# KiCad board 8851_HW-U1-VCU118_REV2-0_071417.kicad_pcb (continued)
## Routing (per net, layer and track width the routed paths; a pad name or vN(x,y) marks a point on that pad's centre or on a via; arc(x,y) is an arc through that point) (continued)
RLD3_C3_72B_DK2_N: length 114.1
  TOP w0.142: v2(101.61,71.7) 102.1,71.2 ; v2(79.06,115.32) 78.57,114.83
  14_SIG4 w0.105: v2(101.61,71.7) 101.61,71.41 101.51,71.3 101.36,71.3 101.22,71.44 101.22,71.95 100.88,72.29 93.57,72.29 93.11,72.75 93.11,72.82
  14_SIG4 w0.106: 82.28,114.81 82.25,114.81 82.22,114.78 78.96,114.78 78.78,114.96 78.78,115.04 v2(79.06,115.32)
  14_SIG4 w0.138: 93.11,72.82 92.47,73.46 91.86,73.46 91.4,72.99 91.4,72.47 92.15,71.72 92.15,71.35 91.93,71.13 90.33,71.13 90.17,71.29 90.17,71.47 90.29,71.59 90.52,71.59 90.81,71.88 90.81,72.36 90.49,72.68 89.93,72.68 89.78,72.83 89.78,73.22 89.93,73.38 90.71,73.38 91.15,73.82 91.15,74.27 90.78,74.65 89.93,74.65 89.78,74.8 89.78,75.11 89.93,75.27 90.68,75.27 90.99,75.59 90.99,76.17 90.63,76.54 89.93,76.54 89.78,76.69 89.78,77 89.93,77.16 90.68,77.16 90.99,77.48 90.99,78.06 90.63,78.43 89.93,78.43 89.78,78.58 89.78,78.89 89.93,79.05 90.68,79.05 90.99,79.37 90.99,79.95 90.63,80.32 89.93,80.32 89.78,80.47 89.78,80.78 89.93,80.94 90.68,80.94 90.99,81.26 90.99,81.84 90.63,82.21 89.93,82.21 89.78,82.36 89.78,82.67 89.93,82.83 91.74,82.83 92.09,83.17 92.09,83.76 91.75,84.1 89.93,84.1 89.78,84.25 89.78,84.56 89.93,84.72 92.9,84.72 93.25,85.07 93.25,85.69 92.95,85.99 89.93,85.99 89.78,86.14 89.78,86.75 89.95,86.92 93.36,86.92 93.71,87.27 93.71,87.89 93.41,88.19 89.9,88.19 89.78,88.32 89.78,89.03 90.09,89.34 90.31,89.34 90.73,88.93 91.26,88.93 91.68,89.34 91.68,89.78 91.21,90.24 91.21,90.46 91.43,90.68 91.57,90.68 93.14,89.12 93.65,89.12 94.04,89.5 94.04,90.09 92.54,91.58 92.54,91.8 92.77,92.02 92.98,92.02 93.45,91.55 93.89,91.55 94.3,91.96 94.3,92.5 93.88,92.92 93.88,93.13 94.1,93.35 94.1,94.47 92.62,95.95 92.27,95.95 91.01,97.21 91.01,98.14 91.17,98.29 91.31,98.29 91.65,98.63 91.65,99.21 91.31,99.56 91.17,99.56 91.01,99.71 91.01,103.29 90.74,103.57 90.06,103.57 89.78,103.29 89.78,102.56 89.69,102.47 89.44,102.47 88.38,103.53 88.38,103.75 88.53,103.9 88.53,104.39 88.12,104.8 87.63,104.8 87.48,104.65 87.26,104.65 87,104.91 87,106.11 86.41,106.7 85.44,106.7 84.72,107.41 84.72,113.8 83.98,114.55 83.63,114.55 83.37,114.81 82.28,114.81
RLD3_C3_72B_DK2_P: length 114.5
  TOP w0.142: v2(78.07,115.32) 77.58,114.83 ; 102.1,70.22 v2(101.61,70.71)
  14_SIG4 w0.105: 92.9,72.6 92.92,72.59 92.99,72.59 93.49,72.09 100.79,72.09 101.02,71.86 101.02,71.36 101.27,71.1 101.51,71.1 101.61,71 v2(101.61,70.71)
  14_SIG4 w0.106: 82.28,114.51 82.25,114.51 82.22,114.53 78.86,114.53 v2(78.07,115.32)
  14_SIG4 w0.138: 82.28,114.51 83.24,114.51 83.5,114.25 83.85,114.25 84.42,113.67 84.42,107.29 85.31,106.4 86.29,106.4 86.7,105.99 86.7,104.79 87.14,104.35 87.6,104.35 87.76,104.5 88,104.5 88.23,104.26 88.23,104.03 88.08,103.87 88.08,103.41 89.31,102.17 89.81,102.17 90.08,102.44 90.08,103.17 90.18,103.27 90.61,103.27 90.71,103.17 90.71,99.59 91.04,99.26 91.18,99.26 91.35,99.09 91.35,98.76 91.18,98.59 91.04,98.59 90.71,98.26 90.71,97.09 92.15,95.65 92.5,95.65 93.8,94.35 93.8,93.47 93.58,93.26 93.58,92.79 94,92.37 94,92.09 93.76,91.85 93.57,91.85 93.11,92.32 92.64,92.32 92.24,91.92 92.24,91.46 93.74,89.96 93.74,89.63 93.53,89.42 93.26,89.42 91.7,90.98 91.31,90.98 90.91,90.58 90.91,90.12 91.38,89.65 91.38,89.46 91.14,89.23 90.85,89.23 90.43,89.64 89.97,89.64 89.47,89.15 89.47,88.2 89.78,87.89 93.28,87.89 93.41,87.77 93.41,87.4 93.23,87.22 89.83,87.22 89.47,86.87 89.47,86.02 89.8,85.69 92.83,85.69 92.95,85.56 92.95,85.19 92.78,85.02 89.8,85.02 89.47,84.69 89.47,84.13 89.8,83.8 91.62,83.8 91.79,83.63 91.79,83.3 91.62,83.13 89.8,83.13 89.47,82.8 89.47,82.24 89.8,81.91 90.5,81.91 90.69,81.71 90.69,81.38 90.55,81.24 89.8,81.24 89.47,80.91 89.47,80.35 89.8,80.02 90.5,80.02 90.69,79.82 90.69,79.49 90.55,79.35 89.8,79.35 89.47,79.02 89.47,78.46 89.8,78.13 90.5,78.13 90.69,77.93 90.69,77.6 90.55,77.46 89.8,77.46 89.47,77.13 89.47,76.57 89.8,76.24 90.5,76.24 90.69,76.04 90.69,75.71 90.55,75.57 89.8,75.57 89.47,75.24 89.47,74.68 89.8,74.35 90.65,74.35 90.85,74.15 90.85,73.95 90.58,73.68 89.8,73.68 89.47,73.35 89.47,72.71 89.8,72.38 90.37,72.38 90.51,72.24 90.51,72 90.4,71.89 90.17,71.89 89.87,71.59 89.87,71.16 90.2,70.83 92.06,70.83 92.45,71.23 92.45,71.84 91.7,72.6 91.7,72.87 91.99,73.16 92.34,73.16 92.58,72.93 92.9,72.6
RLD3_C3_72B_DK3_N: length 109.3
  TOP w0.142: 70.69,114.83 v2(70.2,115.32) ; v2(99.64,74.65) 100.13,74.16
  18_SIG6 w0.105: 92.9,63.15 92.93,63.15 92.96,63.12 93.11,63.12 93.41,63.43 100.83,63.43 101.02,63.62 101.02,64.15 101.77,64.89 102.45,64.89 102.99,65.43 102.99,72.86 102.78,73.07 100.37,73.07 100.03,73.41 100.03,74.26 v2(99.64,74.65) ; v2(70.2,115.32) 70.24,115.28 70.62,115.28 70.74,115.41 70.74,115.68 70.99,115.92 71.45,115.92 71.78,115.59 71.78,114.85 71.8,114.83 71.8,114.8
  18_SIG6 w0.106: 68.04,113.86 68.06,113.88 68.06,113.92 68.59,114.45 69.22,114.45 69.73,113.94 71.23,113.94 71.8,114.51 71.8,114.8
  18_SIG6 w0.138: 68.04,113.86 67.8,113.62 67.8,113.41 64.19,109.8 64.19,100.14 64.65,99.67 64.65,95.31 66.77,93.19 80.06,93.19 80.62,92.62 80.62,73.98 79.32,72.68 79.32,71.02 83.78,66.56 84.9,66.56 85.38,67.04 88.01,67.04 91.9,63.15 92.64,63.15 92.9,63.15
RLD3_C3_72B_DK3_P: length 109.2
  TOP w0.142: 71.68,114.83 v2(71.18,115.32) ; v2(100.63,74.65) 101.12,74.16
  18_SIG6 w0.105: v2(100.63,74.65) 100.23,74.26 100.23,73.49 100.45,73.27 102.86,73.27 103.19,72.94 103.19,65.35 102.54,64.69 101.85,64.69 101.22,64.06 101.22,63.53 100.91,63.23 93.5,63.23 93.19,62.92 92.98,62.92 92.91,62.85 92.9,62.85 ; v2(71.18,115.32) 71.05,115.32 70.94,115.43 70.94,115.6 71.07,115.72 71.37,115.72 71.58,115.51 71.58,114.85 71.56,114.83 71.56,114.8
  18_SIG6 w0.106: 71.56,114.8 71.56,114.61 71.13,114.18 69.83,114.18 69.32,114.7 68.49,114.7 67.88,114.09 67.84,114.09 67.83,114.07
  18_SIG6 w0.138: 92.9,62.85 92.64,62.85 92.64,62.85 91.78,62.85 87.89,66.74 85.51,66.74 85.03,66.26 83.66,66.26 79.02,70.89 79.02,72.8 80.33,74.1 80.33,92.5 79.93,92.89 66.64,92.89 64.35,95.18 64.35,99.55 63.89,100.01 63.89,109.92 67.5,113.53 67.5,113.74 67.83,114.07
RLD3_C3_72B_DM0: length 141.4
  TOP w0.15: U141.B7 v2(91.76,120.4) ; 99.15,80.06 v2(98.66,80.55)
  20_SIG7 w0.087: 97.18,87.65 97.18,87.09 97.32,86.95 99.04,86.95 99.15,86.85 99.15,86.04 99.07,85.97 97.34,85.97 97.18,85.81 97.18,85.08 97.28,84.98 98.02,84.98 99.05,84.98 99.15,84.88 99.15,84.15 99,84 97.43,84 97.18,83.75 97.18,83.71 97.18,82.73 97.18,82.23 97.39,82.03 97.89,82.03 98.17,81.76 98.17,81.25 97.96,81.05 97.27,81.05 97.18,80.96 97.18,80.76 97.18,80.35 97.18,80.29 97.41,80.06 97.93,80.06 98.42,80.55 v2(98.66,80.55) ; v2(91.76,120.4) 92.26,120.89 92.26,121.61 92.4,121.75 92.67,121.75 92.8,121.62 92.8,120.25 92.26,119.71 92.26,118.26 91.94,117.94 90.57,117.94 90.24,118.27 90.24,118.64 89.99,118.88 89.61,118.88 89.3,119.19 89.3,119.21 89.3,119.62 89.01,119.9 88.6,119.9 88.31,119.62 88.31,116.25 88.6,115.97 88.61,115.97 89.12,115.97 89.3,116.15 89.3,116.66 89.59,116.95 89.99,116.95 90.28,116.66 90.28,116.17 90.49,115.97 91.12,115.97 91.27,116.12 91.27,116.66 91.56,116.95 91.96,116.95 92.25,116.66 92.25,115.66 93.91,114 93.93,114 94.22,113.71 94.22,109.37 94.51,109.08 94.92,109.08 95.2,109.37 95.2,112.34 95.2,112.73 95.49,113.01 95.9,113.01 96.19,112.73 96.19,112.68 96.19,111.33 96.19,110.76 96.19,109.77 96.19,109.33 96.44,109.08 96.78,109.08 96.88,109.08 97.17,109.37 97.17,110.8 97.42,111.05 97.95,111.05 98.16,110.84 98.16,108.38 98.45,108.09 98.92,108.09 99.14,108.32 99.14,110.77 99.43,111.05 100.5,111.05
  20_SIG7 w0.138: 97.18,87.65 97.18,88.39 97.39,88.6 97.63,88.6 97.96,88.27 98.2,88.27 98.44,88.51 98.44,88.75 98.11,89.08 98.11,89.32 99.6,90.81 99.6,92.58 99.24,92.94 99.24,96.71 98.9,97.05 97.57,97.05 97.33,97.29 97.33,98 97.66,98.33 99.9,98.33 100.21,98.03 100.21,97.16 100.52,96.85 100.98,96.85 101.61,97.48 101.61,98.06 101.88,98.33 106.96,98.33 107.28,98.65 107.28,98.85 107.05,99.08 106.51,99.08 106.38,99.21 106.38,99.66 106.24,99.8 105.96,99.8 105.83,99.66 105.83,99.21 105.69,99.08 105.41,99.08 105.28,99.21 105.28,99.61 105.14,99.74 104.86,99.74 104.73,99.61 104.73,99.21 104.59,99.08 98.28,99.08 98.12,99.22 98.12,99.45 98.3,99.62 102.88,99.62 103.15,99.9 103.15,100.55 103.33,100.73 104.75,100.73 105.06,101.04 105.06,101.5 104.71,101.85 103.68,101.85 103.5,102.03 103.5,103.45 105.63,105.58 105.63,106.28 105.49,106.42 104.51,106.42 104.38,106.56 104.38,106.83 104.51,106.97 105.49,106.97 105.63,107.11 105.63,107.38 105.49,107.52 104.51,107.52 104.38,107.66 104.38,107.93 104.51,108.07 105.49,108.07 105.63,108.21 105.63,108.62 105.63,108.62 105.63,108.82 105.4,109.05 105.08,109.05 104.49,108.47 104.17,108.47 103.95,108.69 103.95,109.01 104.75,109.81 104.75,110.03 104.48,110.29 104.29,110.29 103.04,109.05 102.85,109.05 102.65,109.25 102.65,109.44 103.71,110.5 103.71,110.69 103.35,111.05 100.5,111.05
RLD3_C3_72B_DM1: length 141.1
  TOP w0.15: U141.M7 v2(91.76,109.57) ; 94.23,76.12 v2(93.74,76.62)
  18_SIG6 w0.087: v2(91.76,109.57) 91.76,109.15 91.67,109.06 91.4,109.06 91.27,109.19 91.27,110.76 91.56,111.05 91.96,111.05 92.25,111.34 92.25,111.75 91.96,112.04 91.43,112.04 91.28,112.2 91.28,112.88 91.41,113.01 92.64,113.01 92.81,113.18 92.81,113.85 92.47,114.19 91.04,114.19 90.89,114.34 90.89,114.75 91.09,114.95 92.65,114.95 92.83,115.13 92.83,115.87 92.74,115.96 91.46,115.96 91.27,116.15 91.27,116.82 91.4,116.95 92.66,116.95 92.78,117.08 92.78,117.82 92.66,117.94 91.49,117.94 91.26,118.16 91.26,118.62 90.96,118.92 88.6,118.92 88.32,119.2 88.32,120.6 88.02,120.89 87.57,120.89 87.34,120.66 87.34,120.19 87.05,119.9 86.66,119.9 86.36,120.2 86.36,121.18 86.16,121.39 85.53,121.39 85.45,121.31 ; 96.62,89.52 96.62,88.81 97.1,88.33 97.61,88.33 98.17,87.77 98.17,83.3 97.88,83.01 97.47,83.01 97.18,83.3 97.18,87.65 96.89,87.94 96.49,87.94 96.2,87.65 96.2,81.33 95.91,81.05 95.5,81.05 95.21,81.33 95.21,86.66 94.93,86.95 94.52,86.95 94.23,86.66 93.54,86.66 93.16,86.29 93.16,85.35 93.53,84.98 93.94,84.98 94.23,84.69 94.23,84.29 93.94,84 93.16,84 93.03,83.87 93.03,83.16 93.19,83.01 93.94,83.01 94.23,82.73 94.23,82.32 93.94,82.03 93.27,82.03 93.09,81.84 93.09,81.36 93.4,81.05 93.94,81.05 94.23,80.76 94.23,79.37 93.94,79.08 93.53,79.08 93.14,78.68 93.14,75.49 93.48,75.14 94.93,75.14 95.21,75.43 95.21,75.84 94.93,76.12 94.23,76.12 v2(93.74,76.62) ; 85.45,120.08 85.63,119.9 86.05,119.9 86.35,119.61 86.35,119.21 86.65,118.9 87.04,118.9 87.04,118.9 87.05,118.9 87.32,118.63 87.32,118.23 87.62,117.93 90.09,117.93 90.28,117.75 90.28,117.22 90,116.95 88.6,116.95 88.31,116.67 88.31,116.24 88.58,115.97 90,115.97 90.29,115.68 90.29,115.27 90.01,114.99 88.2,114.99 88.11,114.9 88.11,114.56 88.45,114.22 90.08,114.22 90.28,114.02 90.28,113.28 90.01,113.01 89.58,113.01 89.3,112.74 89.3,112.3 89.57,112.03 90.12,112.03 90.28,111.86 90.28,111.23 90.09,111.04 89.57,111.04 89.3,110.77 89.3,110.37 89.57,110.1 90.04,110.1 90.28,109.86 90.28,109.26 90.11,109.08 89.57,109.08 89.3,108.81 89.3,108.39 89.59,108.09 91.26,108.09 91.5,107.85 91.5,107.25 91.35,107.1 90.06,107.1 89.95,106.99 89.95,106.75
  18_SIG6 w0.138: 89.95,106.75 89.95,106.55 90.14,106.36 91.64,106.36 92.06,105.95 92.06,105.49 91.86,105.29 91.86,104.67 92.08,104.45 93.5,104.45 94.73,103.22 94.73,102.94 94.98,102.68 96.63,102.68 96.9,102.41 96.9,102.03 96.52,101.65 94.98,101.65 94.73,101.39 94.73,99.68 95.38,99.02 95.38,97.34 96.62,96.1 96.62,92.24 96.88,91.99 97.69,91.99 97.95,91.73 97.95,91.21 97.69,90.96 96.88,90.96 96.62,90.7 96.62,89.52 ; 85.45,121.31 85.32,121.17 85.32,120.21 85.45,120.08
RLD3_C3_72B_DM2: length 118.4
  TOP w0.15: 106.04,65.3 v2(105.55,65.79) ; 79.55,114.83 v2(80.04,115.32)
  14_SIG4 w0.087: 85.08,107.63 85.08,107.63 ; v2(105.55,65.79) 105.84,65.79 106.33,66.28 106.74,66.28 107.02,66.57 107.02,67.97 107.29,68.23 107.74,68.23 108,68.49 108,68.95 108.27,69.22 109.83,69.22 109.98,69.08 109.98,68.46 110.19,68.25 110.77,68.25 110.95,68.07 110.95,59.63 111.2,59.38 114.79,59.38 114.9,59.5 114.9,64.74 114.82,64.82 114.62,64.82 114.5,64.94 114.5,65.18 114.62,65.31 114.82,65.31 114.9,65.38 114.9,71.04 114.74,71.2 111.18,71.2 110.94,71.44 110.94,71.89 110.65,72.18 109.15,72.18 108.97,72.36 108.97,72.88 108.7,73.15 108.19,73.15 107.99,73.34 107.99,73.77 107.59,74.17 107.25,74.17 107.03,74.4 107.03,75.8 106.79,76.05 106.29,76.05 106.03,76.31 106.03,76.92 105.88,77.06 105.21,77.06 105.03,76.89 105.03,76.35 104.78,76.1 104.32,76.1 104.11,75.89 104.11,74.4 103.89,74.17 92.9,74.17 ; 92.9,83.22 93.18,83.51 93.18,83.69 93.48,83.99 94.02,83.99 94.26,84.22 94.26,88.94 94.85,89.52 ; 82.28,115.78 82.24,115.81 80.16,115.81 80.04,115.69 v2(80.04,115.32)
  14_SIG4 w0.138: 85.08,107.63 85.58,107.12 85.58,107.12 85.63,107.08 87.17,107.08 88.17,106.08 88.17,105.53 89.52,104.19 91.18,104.19 91.59,103.77 91.59,100.99 92.2,100.38 92.2,97.17 92.77,96.6 92.89,96.6 94.85,94.65 94.85,89.52 ; 85.08,107.63 85.08,114.08 84.19,114.97 83.84,114.97 83.33,115.47 82.58,115.47 82.28,115.78 ; 92.9,83.22 91.63,81.95 91.63,74.59 92.04,74.17 92.9,74.17
RLD3_C3_72B_DM3: length 109.7
  TOP w0.15: 69.71,114.83 v2(69.21,115.32) ; v2(94.72,66.77) 95.21,66.28
  20_SIG7 w0.087: v2(69.21,115.32) 68.72,114.83 67.95,114.83 67.83,114.7 ; v2(94.72,66.77) 94.23,66.28 92.9,66.28
  20_SIG7 w0.138: 67.83,114.7 67.78,114.65 67.78,113.8 67.65,113.67 67.65,112.83 67.46,112.65 67.1,112.65 66.95,112.8 66.95,113.65 66.73,113.87 66.48,113.87 66.25,113.64 66.25,112.82 66.16,112.73 64.62,112.73 63.95,112.06 63.95,109.97 64.08,109.83 64.86,109.83 65,109.7 65,109.42 64.86,109.28 64.08,109.28 63.95,109.15 63.95,108.87 64.08,108.73 64.86,108.73 65,108.6 65,108.32 64.86,108.18 64.08,108.18 63.95,108.05 63.95,107.77 64.08,107.63 64.86,107.63 65,107.5 65,107.22 64.86,107.08 64.08,107.08 63.95,106.95 63.95,106.67 64.08,106.53 64.86,106.53 65,106.4 65,106.12 64.86,105.98 64.08,105.98 63.95,105.85 63.95,105.57 64.08,105.43 64.86,105.43 65,105.3 65,105.02 64.86,104.88 64.08,104.88 63.95,104.75 63.95,104.47 64.08,104.33 64.86,104.33 65,104.2 65,103.92 64.86,103.78 64.08,103.78 63.89,103.59 63.89,100.97 64.12,100.74 64.32,100.74 64.65,101.07 64.85,101.07 65.04,100.88 65.04,100.68 64.71,100.35 64.71,100.15 65.42,99.44 80.53,99.44 81.51,98.46 81.51,90.4 82.03,89.87 82.03,89.21 81.81,88.98 81.41,88.98 80.46,88.03 79.69,88.03 79.55,87.9 79.55,85.64 79.76,85.43 79.99,85.43 80.13,85.56 80.13,87.3 80.26,87.44 80.54,87.44 80.68,87.3 80.68,85.56 80.81,85.43 81.8,85.43 82.2,85.03 82.2,74.09 82.81,73.48 82.81,70.17 83.25,69.74 84.42,69.74 84.65,69.5 84.65,68.52 85.06,68.12 85.43,68.12 85.56,68.25 85.56,69.72 85.7,69.86 85.98,69.86 86.11,69.72 86.11,68.25 86.25,68.12 86.53,68.12 86.66,68.25 86.66,69.72 86.8,69.86 87.08,69.86 87.21,69.72 87.21,68.25 87.35,68.12 88.66,68.12 90.5,66.28 92.9,66.28
RLD3_C3_72B_DQ0: length 141.9
  TOP w0.15: 101.12,80.06 v2(100.63,80.55) ; U141.D11 v2(96.68,118.43)
  20_SIG7 w0.087: 100.5,115.25 100.22,114.97 95.52,114.97 95.51,114.98 95.49,114.98 95.2,115.27 95.2,115.68 94.92,115.97 94.88,115.97 94.51,115.97 94.49,115.98 94.48,115.98 94.22,116.25 94.22,116.66 93.93,116.95 93.43,116.95 93.27,117.11 93.27,117.67 93.53,117.92 94.03,117.92 94.22,118.12 94.22,118.7 94.44,118.92 95.9,118.92 96.19,119.21 96.19,119.62 96.48,119.9 96.88,119.9 97.17,120.19 97.17,120.38 97.17,120.38 97.17,120.6 97.46,120.89 97.87,120.89 98.16,120.6 98.16,120.19 97.87,119.91 97.46,119.91 97.17,119.62 97.17,118.55 97.05,118.43 v2(96.68,118.43) ; 102.92,87.82 103.09,87.65 103.09,86.14 103.26,85.97 103.78,85.97 104.14,86.32 104.14,88.22 104.4,88.48 104.87,88.48 105.06,88.29 105.06,85.27 104.77,84.98 103.36,84.98 103.09,84.71 103.09,83.3 102.8,83.01 102.39,83.01 102.1,82.73 102.1,82.32 101.81,82.03 100.42,82.03 100.13,81.74 100.13,81.33 100.63,80.84 v2(100.63,80.55)
  20_SIG7 w0.138: 102.92,87.82 102.55,88.18 102.55,93.27 103.26,93.98 103.77,93.98 104,93.76 104,89.82 104.23,89.59 104.55,89.59 104.77,89.81 104.77,93.76 105,93.98 105.31,93.98 105.54,93.76 105.54,88.59 105.75,88.38 106.08,88.38 106.31,88.61 106.31,93.76 106.54,93.98 110.46,93.98 112.3,95.82 112.3,96.8 111.53,97.58 111.53,98.12 111.67,98.27 115.01,98.27 115.38,98.64 115.38,100.13 115.19,100.32 115.19,105.96 114.5,106.65 114.5,108.61 113.4,109.71 113.4,110.48 114,111.08 114,112.14 113.84,112.3 112.83,112.3 112.55,112.58 112.55,117.92 112.17,118.3 110.22,118.3 110.05,118.47 110.05,118.88 110.28,119.11 110.62,119.11 110.85,119.34 110.85,119.66 110.62,119.88 110.28,119.88 110.05,120.11 110.05,120.43 110.28,120.65 110.62,120.65 110.85,120.88 110.85,121.2 110.62,121.43 110.28,121.43 110.05,121.65 110.05,121.97 110.28,122.2 110.62,122.2 110.85,122.43 110.85,122.75 110.62,122.97 110.28,122.97 110.05,123.2 110.05,123.64 110.28,123.86 111.75,123.86 111.97,124.09 111.97,125.84 108.94,128.88 105.7,128.88 105.22,128.4 105.22,124.26 104.6,123.65 104.6,118.15 103.05,116.6 103.05,115.94 102.56,115.45 100.7,115.45 100.5,115.25
RLD3_C3_72B_DQ1: length 141.3
  TOP w0.15: 101.12,81.05 v2(100.63,81.54) ; U141.E10 v2(95.7,117.44)
  20_SIG7 w0.087: v2(100.63,81.54) 101.12,81.05 101.12,80.35 101.41,80.06 102.8,80.06 103.09,80.35 103.09,80.76 103.38,81.05 103.87,81.05 104.07,81.25 104.07,81.74 104.36,82.03 104.77,82.03 105.06,82.32 105.06,82.73 105.34,83.01 105.84,83.01 106.04,83.22 106.04,83.3 106.04,83.71 106.33,84 106.74,84 107.02,84.29 107.02,84.69 107.31,84.98 107.72,84.98 108.01,85.27 108.01,85.78 108.19,85.97 108.7,85.97 108.99,86.26 108.99,87.77 109.17,87.95 ; 100.5,117.97 100.46,117.94 96.89,117.94 96.88,117.94 96.19,117.94 v2(95.7,117.44)
  20_SIG7 w0.138: 100.5,117.97 101.36,118.83 101.36,121.52 102.24,122.41 102.24,122.7 102.38,122.84 103,122.84 103.13,122.98 103.13,123.39 103,123.53 102.72,123.53 102.39,123.87 102.39,125 102.58,125.18 103.58,125.18 103.67,125.28 103.67,126.34 103.53,126.48 102.93,126.48 102.79,126.62 102.79,127.03 102.93,127.17 103.53,127.17 103.67,127.31 103.67,127.72 103.23,128.16 101.69,128.16 101.32,128.53 101.32,129.11 101.2,129.23 100.87,129.23 100.19,129.91 100.19,131.34 100.4,131.55 100.87,131.55 101.01,131.41 101.01,130.71 101.15,130.57 101.56,130.57 101.7,130.71 101.7,131.41 101.84,131.55 102.18,131.55 102.32,131.41 102.32,128.85 102.46,128.71 102.87,128.71 103.01,128.85 103.01,129.23 103.14,129.37 103.6,129.37 103.74,129.5 103.74,129.92 103.6,130.05 103.14,130.05 103.01,130.19 103.01,131.41 103.14,131.55 108.45,131.55 115.5,124.5 116,124.5 116.95,123.55 116.95,123.2 116.51,122.76 116.51,121.9 116.22,121.61 116.22,120.97 116.76,120.43 116.76,117.86 116.1,117.21 116.1,116.95 116.33,116.72 117.44,116.72 117.68,116.48 117.68,116.22 117.41,115.95 116.33,115.95 116.1,115.73 116.1,115.41 116.33,115.18 117.61,115.18 117.87,114.92 117.87,114.66 117.61,114.41 116.33,114.41 116.1,114.18 116.1,113.86 116.33,113.63 117.35,113.63 117.58,113.41 117.58,113.09 117.35,112.86 116.33,112.86 116.05,112.58 116.05,112.22 116.29,111.98 116.3,111.98 116.55,111.72 116.55,111.41 116.24,111.1 115.99,111.1 115.7,110.81 115.7,109.86 116.39,109.17 118.04,109.17 118.22,108.99 118.22,108.6 118.02,108.4 116.92,108.4 116.79,108.26 116.79,107.82 116.97,107.64 117.91,107.64 118.11,107.44 118.11,107.1 117.88,106.87 116.98,106.87 116.79,106.67 116.79,106.32 117,106.11 118.44,106.11 118.66,105.89 118.66,105.55 118.45,105.34 117.12,105.34 116.87,105.08 116.87,104.82 117.12,104.56 118.45,104.56 118.63,104.38 118.63,103.94 118.48,103.79 117.58,103.79 117.38,103.59 117.38,103.23 117.58,103.02 118.81,103.02 119.07,102.76 119.07,102.44 118.87,102.25 117.6,102.25 117.34,101.98 117.34,101.21 117.62,100.93 117.94,100.93 118.33,100.53 118.33,99.97 117.89,99.53 117.89,98.56 118.69,97.76 118.69,97.18 118.55,97.04 117.88,97.04 117.74,96.9 117.74,96.49 117.88,96.35 118.55,96.35 118.69,96.22 118.69,95.8 119.31,95.18 119.31,94.88 119.06,94.64 118.73,94.64 117.33,96.04 114.77,96.04 114.3,95.57 114.3,92.78 110.08,88.55 109.78,88.55 109.17,87.95
RLD3_C3_72B_DQ2: length 138.3
  TOP w0.15: 100.13,81.05 v2(99.64,81.54) ; U141.C8 v2(93.73,119.41)
  20_SIG7 w0.087: v2(93.73,119.41) 93.25,119.41 93.08,119.24 93.08,118 92.75,117.67 92.75,117.14 92.94,116.95 92.94,116.36 93.33,115.97 93.93,115.97 94.22,115.68 94.22,115.27 94.99,114.5 97.45,114.5 97.62,114.33 97.62,114.17 97.79,113.99 98.13,113.99 98.3,114.16 98.3,114.33 98.47,114.5 98.88,114.5 99.38,114 100.22,114 100.38,114.15 100.5,114.15 ; v2(99.64,81.54) 99.64,81.8 100.13,82.3 100.13,82.32 100.13,82.73 100.42,83.01 101.81,83.01 102.1,83.3 102.1,87.65
  20_SIG7 w0.138: 102.1,87.65 102.1,87.84 101.87,88.08 101.87,93.61 102.31,94.04 102.31,95.08 102.56,95.34 103.08,95.34 103.8,94.61 110.04,94.61 110.82,95.39 110.82,98.6 111.11,98.9 114.59,98.9 114.74,99.04 114.74,99.42 114.56,99.6 112.57,99.6 112.42,99.74 112.42,100.4 112.75,100.72 114.36,100.72 114.56,100.92 114.56,101.49 114.3,101.74 113.77,101.74 113.53,101.98 113.53,102.41 113.68,102.55 114.38,102.55 114.56,102.72 114.56,103.22 114.38,103.4 114.04,103.4 113.78,103.65 113.78,103.94 114.04,104.2 114.31,104.2 114.54,104.43 114.54,104.79 114.28,105.05 113.92,105.05 113.44,105.53 113.44,106.03 113.79,106.39 113.79,108.38 112.8,109.37 111.77,109.37 111.48,109.67 111.48,110.28 111.66,110.47 111.9,110.47 112.12,110.7 112.12,111.72 111.88,111.97 110.36,111.97 110.14,112.2 110.14,113.41 110.31,113.58 110.7,113.58 110.9,113.38 110.9,112.88 111.08,112.69 111.49,112.69 111.65,112.85 111.65,113.33 112.03,113.7 112.03,114.19 111.89,114.32 109.48,114.32 109.28,114.12 109.28,112.25 109.05,112.02 107.9,112.02 107.72,112.21 107.72,112.77 107.92,112.97 108.36,112.97 108.51,113.12 108.51,114.07 108.25,114.32 107.77,114.32 107.62,114.47 107.62,114.88 107.79,115.05 111.87,115.05 112.03,115.2 112.03,115.67 111.84,115.86 109.01,115.86 108.83,116.04 108.83,116.4 109.04,116.61 111.84,116.61 112.03,116.8 112.03,117.4 111.78,117.65 109.67,117.65 109.38,117.95 109.38,124.48 109.51,124.62 111.02,124.62 111.15,124.75 111.15,125.16 111.01,125.31 109.51,125.31 109.38,125.44 109.38,125.86 109.51,125.99 110.4,125.99 110.54,126.13 110.54,126.54 110.4,126.68 109.51,126.68 109.38,126.82 109.38,127.52 108.65,128.25 106.12,128.25 105.73,127.86 105.73,124.05 105.12,123.44 105.12,117.92 103.75,116.55 103.75,114.83 103.07,114.15 100.5,114.15
RLD3_C3_72B_DQ3: length 137.8
  TOP w0.15: 99.15,81.05 v2(98.66,81.54) ; U141.C10 v2(95.7,119.41)
  20_SIG7 w0.087: 100.5,111.65 100.12,112.03 97.41,112.03 97.17,112.26 97.17,113.7 97.17,113.7 97.17,113.71 96.88,114 94.53,114 93.54,114.98 93.52,114.98 93.24,115.27 93.24,115.29 92.6,115.93 92.6,116.81 92.31,117.09 92.31,117.82 92.68,118.18 92.68,119.59 92.99,119.9 95.53,119.9 95.7,119.73 v2(95.7,119.41) ; v2(98.66,81.54) 98.66,81.84 98.47,82.03 98.45,82.03 98.17,82.32 98.17,82.73 98.45,83.01 98.86,83.01 99.15,83.3 99.15,83.71 99.44,84 99.85,84 100.13,84.29 100.13,87.75 100.03,87.86
  20_SIG7 w0.138: 100.5,111.65 100.58,111.58 101.59,111.58 102.49,112.47 103.18,112.47 105.15,114.44 105.15,115.58 106.91,117.34 106.91,126.93 107.14,127.16 107.85,127.16 108.07,126.94 108.07,117.5 106.3,115.72 106.3,113.35 106.01,113.06 104.9,113.06 103.74,111.9 103.74,111.46 104.29,110.91 105.38,110.91 106.3,110 106.3,109.56 106.52,109.33 107.48,109.33 107.69,109.53 107.69,110.51 107.87,110.69 108.34,110.69 108.56,110.47 108.56,109.58 108.81,109.33 109.18,109.33 109.36,109.51 109.36,110.34 109.55,110.53 110.02,110.53 110.21,110.34 110.21,108.81 109.96,108.56 106.52,108.56 106.3,108.33 106.3,108.01 106.52,107.79 108.35,107.79 108.58,107.56 108.58,107.24 108.35,107.01 106.52,107.01 106.3,106.79 106.3,104.4 105.69,103.79 104.73,103.79 104.19,103.25 104.19,102.9 104.45,102.64 104.88,102.64 105.24,103 106.43,103 106.66,103.23 106.66,104.11 106.92,104.37 107.23,104.37 107.43,104.17 107.43,103.23 107.66,103 108.56,103 108.82,102.74 108.82,102.01 108.56,101.75 106.14,101.75 105.88,101.49 105.88,101.09 106.14,100.83 107.34,100.83 107.7,100.47 107.7,99.71 108,99.41 109.09,99.41 109.31,99.19 109.31,98.88 109.04,98.61 108.18,98.61 107.7,98.13 107.7,97.23 108.11,96.82 109.17,96.82 109.41,96.58 109.41,96.09 109.2,95.88 106.58,95.88 106.32,96.14 106.32,96.75 106,97.08 105.09,97.08 104.87,96.85 104.87,96.31 104.61,96.05 104.18,96.05 103.9,96.33 103.9,96.85 103.67,97.08 102.1,97.08 101.18,96.16 100.11,96.16 99.88,95.93 99.88,95.65 100.1,95.42 100.77,95.42 101,95.2 101,94.88 100.77,94.65 100.1,94.65 99.88,94.42 99.88,93.35 100.54,92.69 100.54,90.67 99.59,89.73 99.59,88.3 100.03,87.86
RLD3_C3_72B_DQ4: length 142.1
  TOP w0.15: 101.12,79.08 v2(100.63,79.57) ; U141.C12 v2(97.67,119.41)
  20_SIG7 w0.087: 99.14,120.19 98.85,119.91 98.38,119.91 97.89,119.41 v2(97.67,119.41) ; v2(100.63,79.57) 100.86,79.33 101.15,79.33 101.41,79.08 101.81,79.08 102.8,79.08 103.09,78.79 103.09,77.4 103.38,77.11 103.78,77.11 104.07,77.4 104.07,77.5 104.07,80.76 104.36,81.05 104.82,81.05 105.05,81.27 105.05,81.33 105.06,81.33 105.06,81.74 105.34,82.03 105.75,82.03 106.04,82.32 106.04,82.73 106.33,83.01 106.74,83.01 107.02,83.3 107.02,83.71 107.31,84 107.72,84 108.01,84.29 108.01,84.69 108.3,84.98 108.7,84.98 108.99,85.27 108.99,85.68 109.28,85.97 109.79,85.97 109.98,86.15 109.98,87.65 110.16,87.84
  20_SIG7 w0.138: 110.16,87.84 110.57,88.24 110.69,88.24 114.41,91.96 117.26,91.96 119.98,94.68 119.98,97.71 120.4,98.13 120.4,98.47 120.14,98.73 118.78,98.73 118.59,98.93 118.59,99.22 118.95,99.58 120.03,99.58 120.22,99.77 120.22,100.46 119.93,100.76 119.04,100.76 118.76,101.04 118.76,101.41 118.95,101.59 120.42,101.59 120.67,101.85 120.67,102.12 120.4,102.39 120.02,102.39 119.58,102.83 119.58,103 119.26,103.32 119.26,104.74 119.55,105.02 119.55,105.89 118.87,106.57 118.87,109.51 119.25,109.9 119.25,110.92 119.1,111.07 118.92,111.07 118.66,110.81 118.13,110.81 117.1,109.77 116.77,109.77 116.47,110.08 116.47,110.43 117.24,111.21 117.24,111.9 117.59,112.24 118.34,112.24 118.67,111.9 118.98,111.9 119.12,112.04 119.12,113.8 118.5,114.42 118.5,114.84 119.04,115.38 119.04,116.81 118.78,117.06 117.9,117.06 117.53,117.43 117.53,117.8 117.79,118.06 119.51,118.06 119.7,118.25 119.7,118.61 119.44,118.86 118.83,118.86 118.58,119.12 118.58,119.36 118.84,119.62 119.5,119.62 119.7,119.81 119.7,121.09 118.91,121.88 118.45,121.88 118.2,121.63 118.2,120.48 118.02,120.3 117.67,120.3 117.46,120.5 117.46,121.18 117.14,121.5 117.14,122.61 117.48,122.95 117.75,122.95 117.94,123.13 117.94,123.57 117.15,124.35 116.9,124.35 116.2,125.05 116.2,125.8 115.03,126.97 114,126.97 108.85,132.12 99.06,132.12 98.72,131.78 98.72,131.37 98.86,131.23 99.44,131.23 99.58,131.09 99.58,130.68 99.44,130.54 98.86,130.54 98.72,130.4 98.72,129.99 98.86,129.85 99.44,129.85 99.58,129.72 99.58,129.3 99.44,129.17 98.86,129.17 98.72,129.03 98.72,128.52 99.01,128.23 99.67,128.23 100.2,127.7 100.2,126.26 100.71,125.76 101.56,125.76 101.69,125.63 101.69,125.35 101.53,125.19 100.3,125.19 100.19,125.08 100.19,124.71 100.32,124.58 101.73,124.58 101.86,124.45 101.86,124.04 101.71,123.89 100.32,123.89 100.19,123.75 100.19,123.53 100.38,123.33 101.69,123.33 101.8,123.22 101.8,122.99 101.63,122.82 100.73,122.82 100.58,122.67 100.58,121.8 100.8,121.57 100.8,119.09 100.64,118.94 100.32,118.94 100.19,119.06 100.19,121.42 99.98,121.63 99.74,121.63 99.6,121.49 99.6,120.65 99.14,120.19